# Altium PCB GEM_AFE_128.PcbDoc (part 12 of 18)
Units mm, origin at the board's own origin, x right, y up, seen from the top; angles counter-clockwise.
Board outline 112 x 81.5 mm, 8 copper layers (Top Layer, L1, L2, L3, L4, L5, L6, Bottom Layer), stack 1.52 mm thick; 1880 components, 1258 nets, 6287 pads, 2369 vias.
Unrouted connection lines stored in the file: 4.
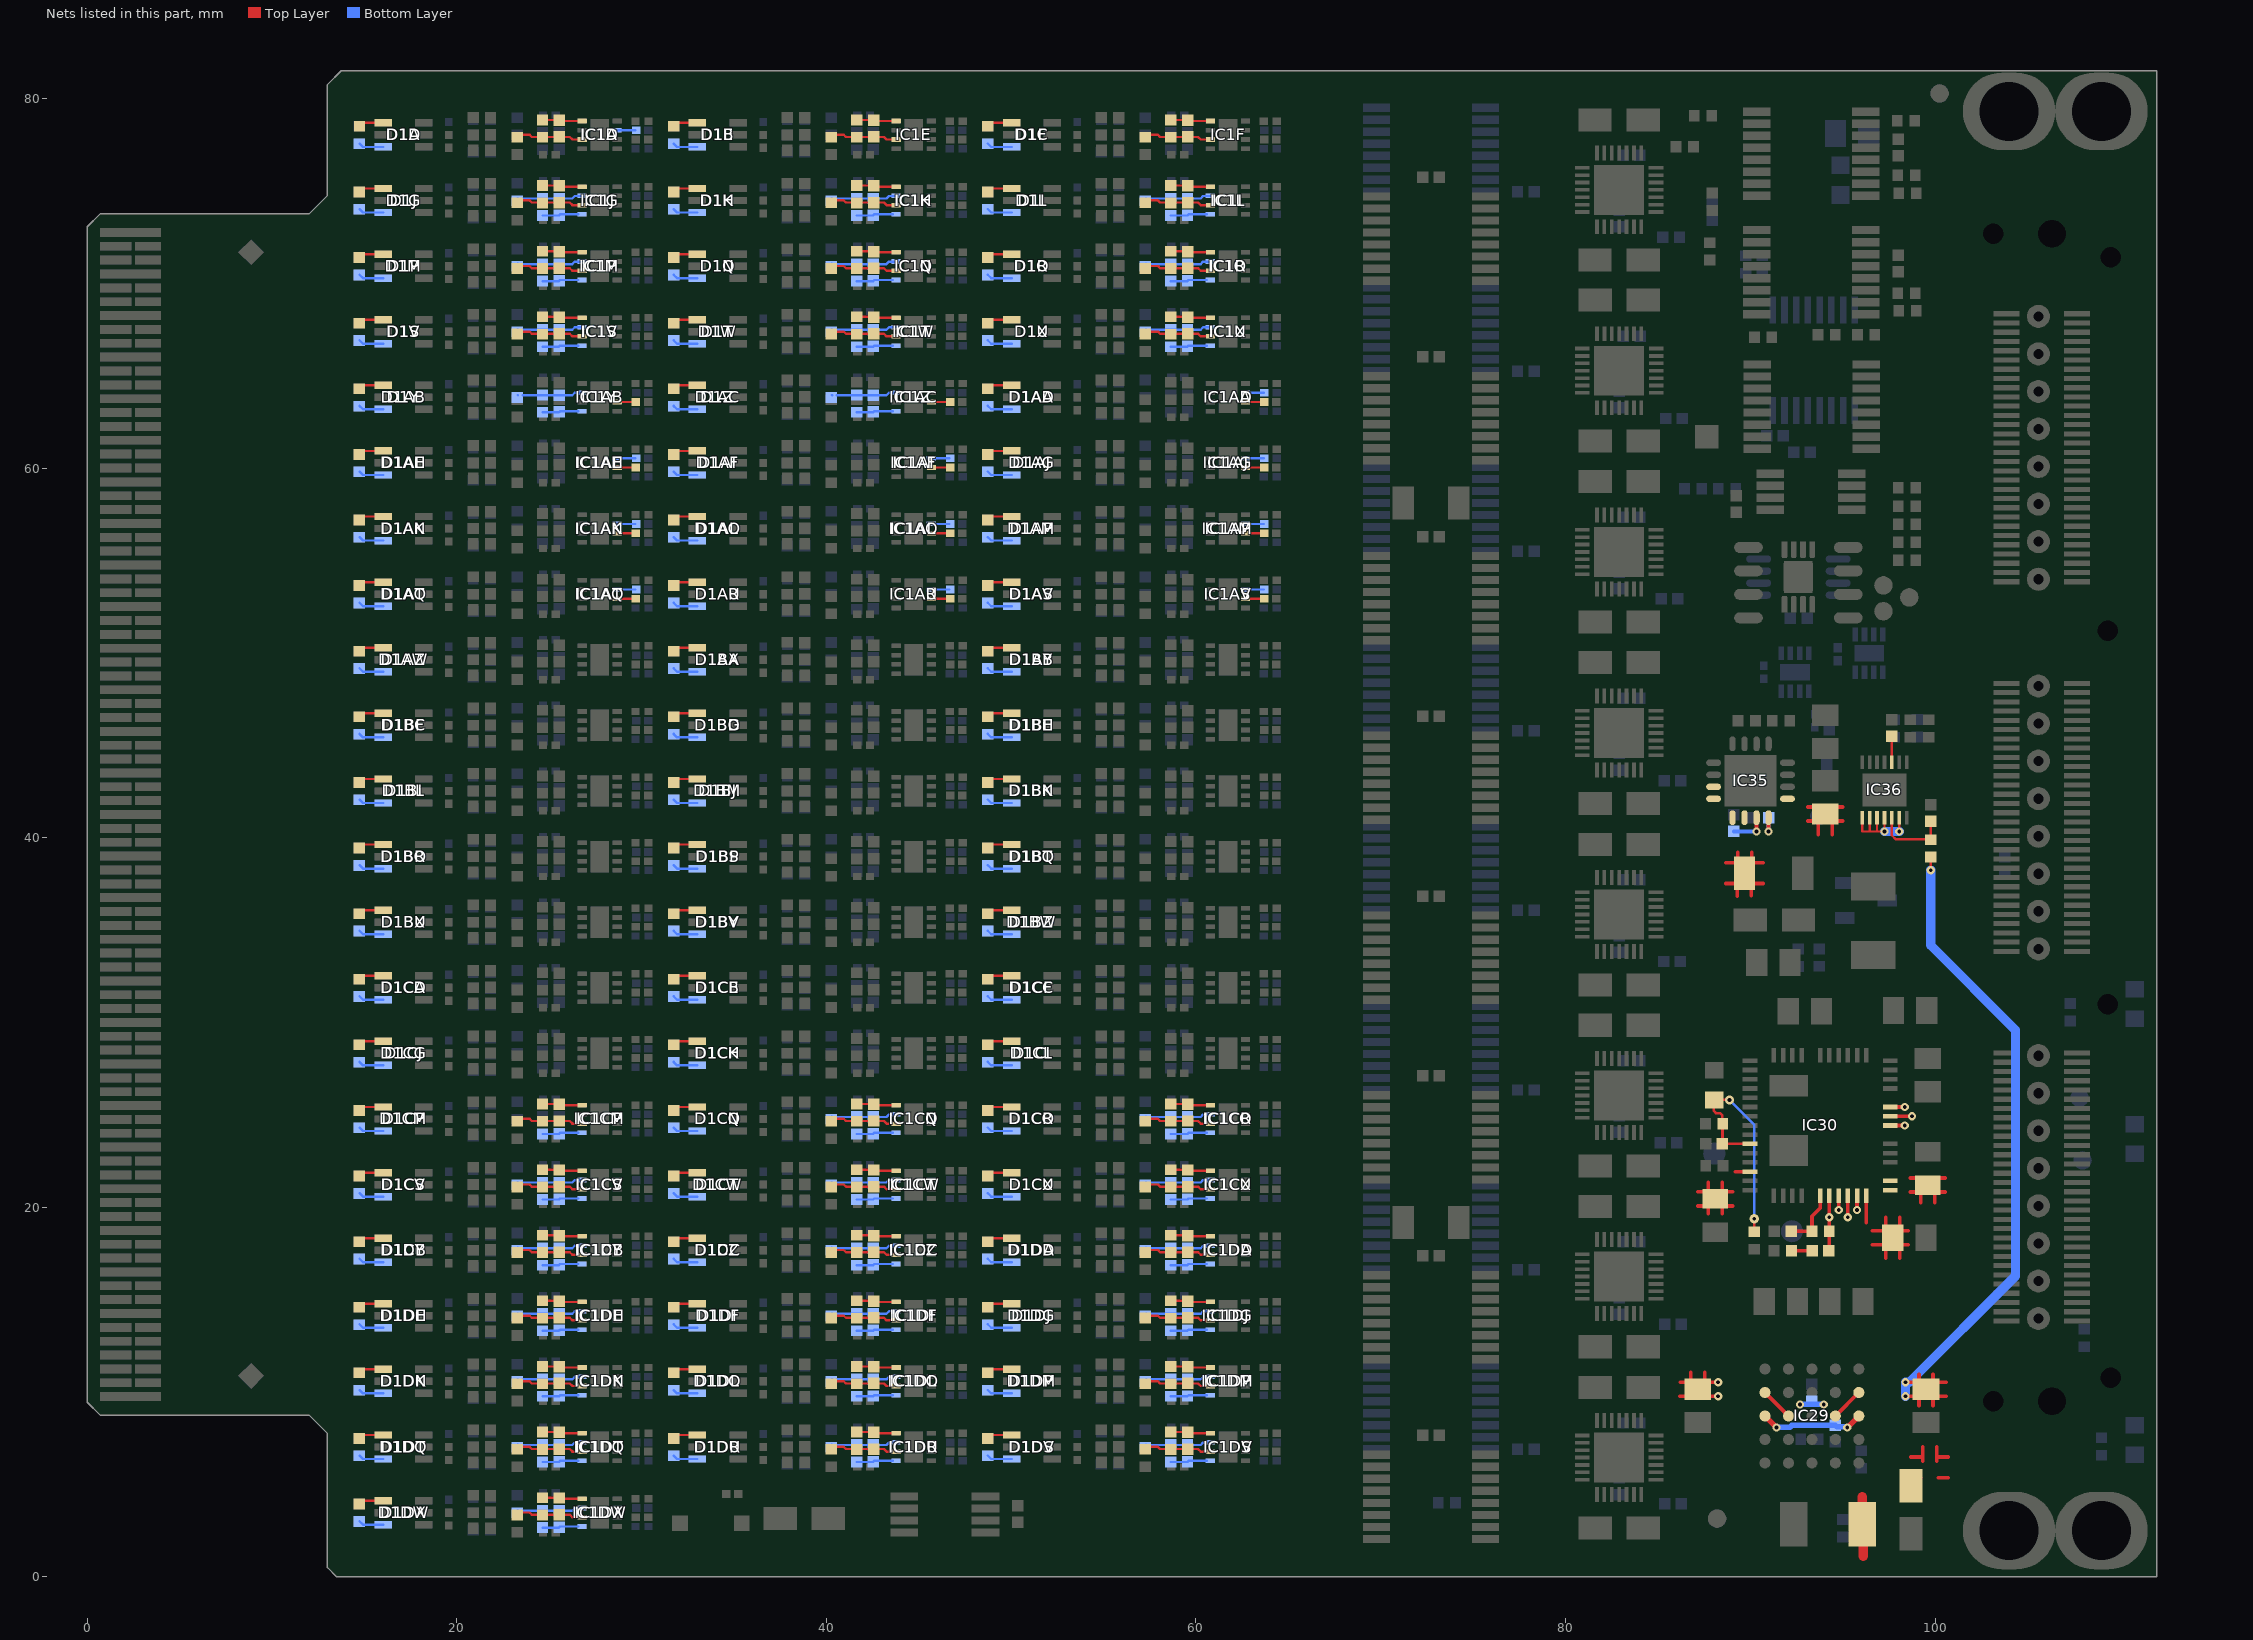
[diagram p18: the nets of this part, all layers, seen from the top]

## Via types
v1: diameter 0.5, hole 0.2, Top Layer to Bottom Layer, tented both sides, 1849 vias
v2: diameter 0.45, hole 0.2, Top Layer to Bottom Layer, tented both sides, 506 vias
v3: diameter 0.45, hole 0.2, Top Layer to Bottom Layer, 14 vias

## Nets (pads, with @x,y where several pads share a name; then routed paths per layer and width w, separated by ;. In a path a pad name is that pad's centre, name@x,y a point inside that pad or via, vN(x,y) a via of type N, cw(c..) or ccw(c..) an arc to the next point about the centre after c; other vN are vias at no path point) (continued)
NetC2CM_2: C2CM.2 IC1CM.1 R5CM.2 | length 2
  Bottom Layer w0.127: R5CM.2@24.639,23.965 25.533,23.965 25.553,23.985 25.593,24.025 IC1CM.1@26.586,24.025
NetC2CN_1: C2CN.1 IC1CN.3 R5CN.1 R8CN.2 | length 3.3
  Bottom Layer w0.127: R8CN.2@40.3,24.9 R8CN.2@40.315,24.885 ; R8CN.2@40.565,24.885 41.639,24.885 43.255,24.885 43.389,25.019 43.78,25.019 IC1CN.3@43.786,25.025
NetC2CN_2: C2CN.2 IC1CN.1 R5CN.2 | length 2
  Bottom Layer w0.127: R5CN.2@41.639,23.965 42.533,23.965 42.553,23.985 42.593,24.025 IC1CN.1@43.586,24.025
NetC2CO_1: C2CO.1 IC1CO.3 R5CO.1 R8CO.2 | length 3.3
  Bottom Layer w0.127: R8CO.2@57.3,24.9 R8CO.2@57.315,24.885 ; R8CO.2@57.565,24.885 58.639,24.885 60.255,24.885 60.389,25.019 60.78,25.019 IC1CO.3@60.786,25.025
NetC2CO_2: C2CO.2 IC1CO.1 R5CO.2 | length 2
  Bottom Layer w0.127: R5CO.2@58.639,23.965 59.533,23.965 59.553,23.985 59.593,24.025 IC1CO.1@60.586,24.025
NetC2CP_1: C2CP.1 IC1CP.3 R5CP.1 R8CP.2 | length 3.5
  Top Layer w0.127: R8CP.2@23.266,24.783 23.942,24.783 24.06,24.665 R5CP.1@24.564,24.665 ; R8CP.2@23.289,24.65 R8CP.2@23.304,24.665 ; R5CP.1@24.544,24.645 R5CP.1@24.564,24.665 ; IC1CP.3@26.575,24.525 26.258,24.525 26.118,24.665 25.543,24.665 R5CP.1@24.564,24.665
NetC2CP_2: C2CP.2 IC1CP.1 R5CP.2 | length 2.2
  Top Layer w0.127: R5CP.2@24.628,25.585 25.523,25.585 25.543,25.565 25.583,25.525 IC1CP.1@26.775,25.525
NetC2CQ_1: C2CQ.1 IC1CQ.3 R5CQ.1 R8CQ.2 | length 3.5
  Top Layer w0.127: R8CQ.2@40.266,24.783 40.942,24.783 41.06,24.665 R5CQ.1@41.564,24.665 ; R8CQ.2@40.289,24.65 R8CQ.2@40.304,24.665 ; R5CQ.1@41.544,24.645 R5CQ.1@41.564,24.665 ; C2CQ.1@42.543,24.665 R5CQ.1@41.564,24.665 ; C2CQ.1@42.543,24.665 43.118,24.665 43.258,24.525 IC1CQ.3@43.575,24.525
NetC2CQ_2: C2CQ.2 IC1CQ.1 R5CQ.2 | length 2.2
  Top Layer w0.127: R5CQ.2@41.628,25.585 42.523,25.585 42.543,25.565 42.583,25.525 IC1CQ.1@43.775,25.525
NetC2CR_1: C2CR.1 IC1CR.3 R5CR.1 R8CR.2 | length 3.5
  Top Layer w0.127: R8CR.2@57.266,24.783 57.942,24.783 58.06,24.665 R5CR.1@58.564,24.665 ; R8CR.2@57.289,24.65 R8CR.2@57.304,24.665 ; R5CR.1@58.544,24.645 R5CR.1@58.564,24.665 ; IC1CR.3@60.575,24.525 60.258,24.525 60.118,24.665 59.543,24.665 R5CR.1@58.564,24.665
NetC2CR_2: C2CR.2 IC1CR.1 R5CR.2 | length 2.2
  Top Layer w0.127: R5CR.2@58.628,25.585 59.523,25.585 59.543,25.565 59.583,25.525 IC1CR.1@60.775,25.525
NetC2CS_1: C2CS.1 IC1CS.3 R5CS.1 R8CS.2 | length 3.3
  Bottom Layer w0.127: R8CS.2@23.3,21.35 R8CS.2@23.315,21.335 ; R8CS.2@23.565,21.335 24.639,21.335 26.255,21.335 26.389,21.469 26.78,21.469 IC1CS.3@26.786,21.475
NetC2CS_2: C2CS.2 IC1CS.1 R5CS.2 | length 2
  Bottom Layer w0.127: R5CS.2@24.639,20.415 25.533,20.415 25.553,20.435 25.593,20.475 IC1CS.1@26.586,20.475
NetC2CT_1: C2CT.1 IC1CT.3 R5CT.1 R8CT.2 | length 3.3
  Bottom Layer w0.127: R8CT.2@40.3,21.35 R8CT.2@40.315,21.335 ; R8CT.2@40.565,21.335 41.639,21.335 43.255,21.335 43.389,21.469 43.78,21.469 IC1CT.3@43.786,21.475
NetC2CT_2: C2CT.2 IC1CT.1 R5CT.2 | length 2
  Bottom Layer w0.127: R5CT.2@41.639,20.415 42.533,20.415 42.553,20.435 42.593,20.475 IC1CT.1@43.586,20.475
NetC2CU_1: C2CU.1 IC1CU.3 R5CU.1 R8CU.2 | length 3.3
  Bottom Layer w0.127: R8CU.2@57.3,21.35 R8CU.2@57.315,21.335 ; R8CU.2@57.565,21.335 58.639,21.335 60.255,21.335 60.389,21.469 60.78,21.469 IC1CU.3@60.786,21.475
NetC2CU_2: C2CU.2 IC1CU.1 R5CU.2 | length 2
  Bottom Layer w0.127: R5CU.2@58.639,20.415 59.533,20.415 59.553,20.435 59.593,20.475 IC1CU.1@60.586,20.475
NetC2CV_1: C2CV.1 IC1CV.3 R5CV.1 R8CV.2 | length 3.5
  Top Layer w0.127: R8CV.2@23.266,21.233 23.942,21.233 24.06,21.115 R5CV.1@24.564,21.115 ; R8CV.2@23.289,21.1 R8CV.2@23.304,21.115 ; R5CV.1@24.544,21.095 R5CV.1@24.564,21.115 ; IC1CV.3@26.575,20.975 26.258,20.975 26.118,21.115 25.543,21.115 R5CV.1@24.564,21.115
NetC2CV_2: C2CV.2 IC1CV.1 R5CV.2 | length 2.2
  Top Layer w0.127: R5CV.2@24.628,22.035 25.523,22.035 25.543,22.015 25.583,21.975 IC1CV.1@26.775,21.975
NetC2CW_1: C2CW.1 IC1CW.3 R5CW.1 R8CW.2 | length 3.5
  Top Layer w0.127: R8CW.2@40.266,21.233 40.942,21.233 41.06,21.115 R5CW.1@41.564,21.115 ; R8CW.2@40.289,21.1 R8CW.2@40.304,21.115 ; R5CW.1@41.544,21.095 R5CW.1@41.564,21.115 ; C2CW.1@42.543,21.115 R5CW.1@41.564,21.115 ; C2CW.1@42.543,21.115 43.118,21.115 43.258,20.975 IC1CW.3@43.575,20.975
NetC2CW_2: C2CW.2 IC1CW.1 R5CW.2 | length 2.2
  Top Layer w0.127: R5CW.2@41.628,22.035 42.523,22.035 42.543,22.015 42.583,21.975 IC1CW.1@43.775,21.975
NetC2CX_1: C2CX.1 IC1CX.3 R5CX.1 R8CX.2 | length 3.5
  Top Layer w0.127: R8CX.2@57.266,21.233 57.942,21.233 58.06,21.115 R5CX.1@58.564,21.115 ; R8CX.2@57.289,21.1 R8CX.2@57.304,21.115 ; R5CX.1@58.544,21.095 R5CX.1@58.564,21.115 ; IC1CX.3@60.575,20.975 60.258,20.975 60.118,21.115 59.543,21.115 R5CX.1@58.564,21.115
NetC2CX_2: C2CX.2 IC1CX.1 R5CX.2 | length 2.2
  Top Layer w0.127: R5CX.2@58.628,22.035 59.523,22.035 59.543,22.015 59.583,21.975 IC1CX.1@60.775,21.975
NetC2CY_1: C2CY.1 IC1CY.3 R5CY.1 R8CY.2 | length 3.3
  Bottom Layer w0.127: R8CY.2@23.3,17.8 R8CY.2@23.315,17.785 ; R8CY.2@23.565,17.785 24.639,17.785 26.255,17.785 26.389,17.919 26.78,17.919 IC1CY.3@26.786,17.925
NetC2CY_2: C2CY.2 IC1CY.1 R5CY.2 | length 2
  Bottom Layer w0.127: R5CY.2@24.639,16.865 25.533,16.865 25.553,16.885 25.593,16.925 IC1CY.1@26.586,16.925
NetC2CZ_1: C2CZ.1 IC1CZ.3 R5CZ.1 R8CZ.2 | length 3.3
  Bottom Layer w0.127: R8CZ.2@40.3,17.8 R8CZ.2@40.315,17.785 ; R8CZ.2@40.565,17.785 41.639,17.785 43.255,17.785 43.389,17.919 43.78,17.919 IC1CZ.3@43.786,17.925
NetC2CZ_2: C2CZ.2 IC1CZ.1 R5CZ.2 | length 2
  Bottom Layer w0.127: R5CZ.2@41.639,16.865 42.533,16.865 42.553,16.885 42.593,16.925 IC1CZ.1@43.586,16.925
NetC2D_1: C2D.1 IC1D.3 R5D.1 R8D.2 | length 3.5
  Top Layer w0.127: R8D.2@23.266,78.033 23.942,78.033 24.06,77.915 R5D.1@24.564,77.915 ; R8D.2@23.289,77.9 R8D.2@23.304,77.915 ; R5D.1@24.544,77.895 R5D.1@24.564,77.915 ; IC1D.3@26.575,77.775 26.258,77.775 26.118,77.915 25.543,77.915 R5D.1@24.564,77.915
NetC2D_2: C2D.2 IC1D.1 R5D.2 | length 2.2
  Top Layer w0.127: R5D.2@24.628,78.835 25.523,78.835 25.543,78.815 25.583,78.775 IC1D.1@26.775,78.775
NetC2DA_1: C2DA.1 IC1DA.3 R5DA.1 R8DA.2 | length 3.3
  Bottom Layer w0.127: R8DA.2@57.3,17.8 R8DA.2@57.315,17.785 ; R8DA.2@57.565,17.785 58.639,17.785 60.255,17.785 60.389,17.919 60.78,17.919 IC1DA.3@60.786,17.925
NetC2DA_2: C2DA.2 IC1DA.1 R5DA.2 | length 2
  Bottom Layer w0.127: R5DA.2@58.639,16.865 59.533,16.865 59.553,16.885 59.593,16.925 IC1DA.1@60.586,16.925
NetC2DB_1: C2DB.1 IC1DB.3 R5DB.1 R8DB.2 | length 3.5
  Top Layer w0.127: R8DB.2@23.266,17.683 23.942,17.683 24.06,17.565 R5DB.1@24.564,17.565 ; R8DB.2@23.289,17.55 R8DB.2@23.304,17.565 ; R5DB.1@24.544,17.545 R5DB.1@24.564,17.565 ; IC1DB.3@26.575,17.425 26.258,17.425 26.118,17.565 25.543,17.565 R5DB.1@24.564,17.565
NetC2DB_2: C2DB.2 IC1DB.1 R5DB.2 | length 2.2
  Top Layer w0.127: R5DB.2@24.628,18.485 25.523,18.485 25.543,18.465 25.583,18.425 IC1DB.1@26.775,18.425
NetC2DC_1: C2DC.1 IC1DC.3 R5DC.1 R8DC.2 | length 3.5
  Top Layer w0.127: R8DC.2@40.266,17.683 40.942,17.683 41.06,17.565 R5DC.1@41.564,17.565 ; R8DC.2@40.289,17.55 R8DC.2@40.304,17.565 ; R5DC.1@41.544,17.545 R5DC.1@41.564,17.565 ; C2DC.1@42.543,17.565 R5DC.1@41.564,17.565 ; C2DC.1@42.543,17.565 43.118,17.565 43.258,17.425 IC1DC.3@43.575,17.425
NetC2DC_2: C2DC.2 IC1DC.1 R5DC.2 | length 2.2
  Top Layer w0.127: R5DC.2@41.628,18.485 42.523,18.485 42.543,18.465 42.583,18.425 IC1DC.1@43.775,18.425
NetC2DD_1: C2DD.1 IC1DD.3 R5DD.1 R8DD.2 | length 3.5
  Top Layer w0.127: R8DD.2@57.266,17.683 57.942,17.683 58.06,17.565 R5DD.1@58.564,17.565 ; R8DD.2@57.289,17.55 R8DD.2@57.304,17.565 ; R5DD.1@58.544,17.545 R5DD.1@58.564,17.565 ; IC1DD.3@60.575,17.425 60.258,17.425 60.118,17.565 59.543,17.565 R5DD.1@58.564,17.565
NetC2DD_2: C2DD.2 IC1DD.1 R5DD.2 | length 2.2
  Top Layer w0.127: R5DD.2@58.628,18.485 59.523,18.485 59.543,18.465 59.583,18.425 IC1DD.1@60.775,18.425
NetC2DE_1: C2DE.1 IC1DE.3 R5DE.1 R8DE.2 | length 3.3
  Bottom Layer w0.127: R8DE.2@23.3,14.25 R8DE.2@23.315,14.235 ; R8DE.2@23.565,14.235 24.639,14.235 26.255,14.235 26.389,14.369 26.78,14.369 IC1DE.3@26.786,14.375
NetC2DE_2: C2DE.2 IC1DE.1 R5DE.2 | length 2
  Bottom Layer w0.127: R5DE.2@24.639,13.315 25.533,13.315 25.553,13.335 25.593,13.375 IC1DE.1@26.586,13.375
NetC2DF_1: C2DF.1 IC1DF.3 R5DF.1 R8DF.2 | length 3.3
  Bottom Layer w0.127: R8DF.2@40.3,14.25 R8DF.2@40.315,14.235 ; R8DF.2@40.565,14.235 41.639,14.235 43.255,14.235 43.389,14.369 43.78,14.369 IC1DF.3@43.786,14.375
NetC2DF_2: C2DF.2 IC1DF.1 R5DF.2 | length 2
  Bottom Layer w0.127: R5DF.2@41.639,13.315 42.533,13.315 42.553,13.335 42.593,13.375 IC1DF.1@43.586,13.375
NetC2DG_1: C2DG.1 IC1DG.3 R5DG.1 R8DG.2 | length 3.3
  Bottom Layer w0.127: R8DG.2@57.3,14.25 R8DG.2@57.315,14.235 ; R8DG.2@57.565,14.235 58.639,14.235 60.255,14.235 60.389,14.369 60.78,14.369 IC1DG.3@60.786,14.375
NetC2DG_2: C2DG.2 IC1DG.1 R5DG.2 | length 2
  Bottom Layer w0.127: R5DG.2@58.639,13.315 59.533,13.315 59.553,13.335 59.593,13.375 IC1DG.1@60.586,13.375
NetC2DH_1: C2DH.1 IC1DH.3 R5DH.1 R8DH.2 | length 3.5
  Top Layer w0.127: R8DH.2@23.266,14.133 23.942,14.133 24.06,14.015 R5DH.1@24.564,14.015 ; R8DH.2@23.289,14 R8DH.2@23.304,14.015 ; R5DH.1@24.544,13.995 R5DH.1@24.564,14.015 ; IC1DH.3@26.575,13.875 26.258,13.875 26.118,14.015 25.543,14.015 R5DH.1@24.564,14.015
NetC2DH_2: C2DH.2 IC1DH.1 R5DH.2 | length 2.2
  Top Layer w0.127: R5DH.2@24.628,14.935 25.523,14.935 25.543,14.915 25.583,14.875 IC1DH.1@26.775,14.875
NetC2DI_1: C2DI.1 IC1DI.3 R5DI.1 R8DI.2 | length 3.5
  Top Layer w0.127: R8DI.2@40.266,14.133 40.942,14.133 41.06,14.015 R5DI.1@41.564,14.015 ; R8DI.2@40.289,14 R8DI.2@40.304,14.015 ; R5DI.1@41.544,13.995 R5DI.1@41.564,14.015 ; C2DI.1@42.543,14.015 R5DI.1@41.564,14.015 ; C2DI.1@42.543,14.015 43.118,14.015 43.258,13.875 IC1DI.3@43.575,13.875
NetC2DI_2: C2DI.2 IC1DI.1 R5DI.2 | length 2.2
  Top Layer w0.127: R5DI.2@41.628,14.935 42.523,14.935 42.543,14.915 42.583,14.875 IC1DI.1@43.775,14.875
NetC2DJ_1: C2DJ.1 IC1DJ.3 R5DJ.1 R8DJ.2 | length 3.5
  Top Layer w0.127: R8DJ.2@57.266,14.133 57.942,14.133 58.06,14.015 R5DJ.1@58.564,14.015 ; R8DJ.2@57.289,14 R8DJ.2@57.304,14.015 ; R5DJ.1@58.544,13.995 R5DJ.1@58.564,14.015 ; IC1DJ.3@60.575,13.875 60.258,13.875 60.118,14.015 59.543,14.015 R5DJ.1@58.564,14.015
NetC2DJ_2: C2DJ.2 IC1DJ.1 R5DJ.2 | length 2.2
  Top Layer w0.127: R5DJ.2@58.628,14.935 59.523,14.935 59.543,14.915 59.583,14.875 IC1DJ.1@60.775,14.875
NetC2DK_1: C2DK.1 IC1DK.3 R5DK.1 R8DK.2 | length 3.3
  Bottom Layer w0.127: R8DK.2@23.3,10.7 R8DK.2@23.315,10.685 ; R8DK.2@23.565,10.685 24.639,10.685 26.255,10.685 26.389,10.819 26.78,10.819 IC1DK.3@26.786,10.825
NetC2DK_2: C2DK.2 IC1DK.1 R5DK.2 | length 2
  Bottom Layer w0.127: R5DK.2@24.639,9.765 25.533,9.765 25.553,9.785 25.593,9.825 IC1DK.1@26.586,9.825
NetC2DL_1: C2DL.1 IC1DL.3 R5DL.1 R8DL.2 | length 3.3
  Bottom Layer w0.127: R8DL.2@40.3,10.7 R8DL.2@40.315,10.685 ; R8DL.2@40.565,10.685 41.639,10.685 43.255,10.685 43.389,10.819 43.78,10.819 IC1DL.3@43.786,10.825
NetC2DL_2: C2DL.2 IC1DL.1 R5DL.2 | length 2
  Bottom Layer w0.127: R5DL.2@41.639,9.765 42.533,9.765 42.553,9.785 42.593,9.825 IC1DL.1@43.586,9.825
NetC2DM_1: C2DM.1 IC1DM.3 R5DM.1 R8DM.2 | length 3.3
  Bottom Layer w0.127: R8DM.2@57.3,10.7 R8DM.2@57.315,10.685 ; R8DM.2@57.565,10.685 58.639,10.685 60.255,10.685 60.389,10.819 60.78,10.819 IC1DM.3@60.786,10.825
NetC2DM_2: C2DM.2 IC1DM.1 R5DM.2 | length 2
  Bottom Layer w0.127: R5DM.2@58.639,9.765 59.533,9.765 59.553,9.785 59.593,9.825 IC1DM.1@60.586,9.825
NetC2DN_1: C2DN.1 IC1DN.3 R5DN.1 R8DN.2 | length 3.5
  Top Layer w0.127: R8DN.2@23.266,10.583 23.942,10.583 24.06,10.465 R5DN.1@24.564,10.465 ; R8DN.2@23.289,10.45 R8DN.2@23.304,10.465 ; R5DN.1@24.544,10.445 R5DN.1@24.564,10.465 ; IC1DN.3@26.575,10.325 26.258,10.325 26.118,10.465 25.543,10.465 R5DN.1@24.564,10.465
NetC2DN_2: C2DN.2 IC1DN.1 R5DN.2 | length 2.2
  Top Layer w0.127: R5DN.2@24.628,11.385 25.523,11.385 25.543,11.365 25.583,11.325 IC1DN.1@26.775,11.325
NetC2DO_1: C2DO.1 IC1DO.3 R5DO.1 R8DO.2 | length 3.5
  Top Layer w0.127: R8DO.2@40.266,10.583 40.942,10.583 41.06,10.465 R5DO.1@41.564,10.465 ; R8DO.2@40.289,10.45 R8DO.2@40.304,10.465 ; R5DO.1@41.544,10.445 R5DO.1@41.564,10.465 ; C2DO.1@42.543,10.465 R5DO.1@41.564,10.465 ; C2DO.1@42.543,10.465 43.118,10.465 43.258,10.325 IC1DO.3@43.575,10.325
NetC2DO_2: C2DO.2 IC1DO.1 R5DO.2 | length 2.2
  Top Layer w0.127: R5DO.2@41.628,11.385 42.523,11.385 42.543,11.365 42.583,11.325 IC1DO.1@43.775,11.325
NetC2DP_1: C2DP.1 IC1DP.3 R5DP.1 R8DP.2 | length 3.5
  Top Layer w0.127: R8DP.2@57.266,10.583 57.942,10.583 58.06,10.465 R5DP.1@58.564,10.465 ; R8DP.2@57.289,10.45 R8DP.2@57.304,10.465 ; R5DP.1@58.544,10.445 R5DP.1@58.564,10.465 ; IC1DP.3@60.575,10.325 60.258,10.325 60.118,10.465 59.543,10.465 R5DP.1@58.564,10.465
NetC2DP_2: C2DP.2 IC1DP.1 R5DP.2 | length 2.2
  Top Layer w0.127: R5DP.2@58.628,11.385 59.523,11.385 59.543,11.365 59.583,11.325 IC1DP.1@60.775,11.325
NetC2DQ_1: C2DQ.1 IC1DQ.3 R5DQ.1 R8DQ.2 | length 3.3
  Bottom Layer w0.127: R8DQ.2@23.3,7.15 R8DQ.2@23.315,7.135 ; R8DQ.2@23.565,7.135 24.639,7.135 26.255,7.135 26.389,7.269 26.78,7.269 IC1DQ.3@26.786,7.275
NetC2DQ_2: C2DQ.2 IC1DQ.1 R5DQ.2 | length 2
  Bottom Layer w0.127: R5DQ.2@24.639,6.215 25.533,6.215 25.553,6.235 25.593,6.275 IC1DQ.1@26.586,6.275
NetC2DR_1: C2DR.1 IC1DR.3 R5DR.1 R8DR.2 | length 3.3
  Bottom Layer w0.127: R8DR.2@40.3,7.15 R8DR.2@40.315,7.135 ; R8DR.2@40.565,7.135 41.639,7.135 43.255,7.135 43.389,7.269 43.78,7.269 IC1DR.3@43.786,7.275
NetC2DR_2: C2DR.2 IC1DR.1 R5DR.2 | length 2
  Bottom Layer w0.127: R5DR.2@41.639,6.215 42.533,6.215 42.553,6.235 42.593,6.275 IC1DR.1@43.586,6.275
NetC2DS_1: C2DS.1 IC1DS.3 R5DS.1 R8DS.2 | length 3.3
  Bottom Layer w0.127: R8DS.2@57.3,7.15 R8DS.2@57.315,7.135 ; R8DS.2@57.565,7.135 58.639,7.135 60.255,7.135 60.389,7.269 60.78,7.269 IC1DS.3@60.786,7.275
NetC2DS_2: C2DS.2 IC1DS.1 R5DS.2 | length 2
  Bottom Layer w0.127: R5DS.2@58.639,6.215 59.533,6.215 59.553,6.235 59.593,6.275 IC1DS.1@60.586,6.275
NetC2DT_1: C2DT.1 IC1DT.3 R5DT.1 R8DT.2 | length 3.5
  Top Layer w0.127: R8DT.2@23.266,7.033 23.942,7.033 24.06,6.915 R5DT.1@24.564,6.915 ; R8DT.2@23.289,6.9 R8DT.2@23.304,6.915 ; R5DT.1@24.544,6.895 R5DT.1@24.564,6.915 ; C2DT.1@25.543,6.915 26.118,6.915 26.258,6.775 IC1DT.3@26.575,6.775 ; C2DT.1@25.543,6.915 R5DT.1@24.564,6.915
NetC2DT_2: C2DT.2 IC1DT.1 R5DT.2 | length 2.2
  Top Layer w0.127: R5DT.2@24.628,7.835 25.523,7.835 25.543,7.815 25.583,7.775 IC1DT.1@26.775,7.775
NetC2DU_1: C2DU.1 IC1DU.3 R5DU.1 R8DU.2 | length 3.5
  Top Layer w0.127: R8DU.2@40.266,7.033 40.942,7.033 41.06,6.915 R5DU.1@41.564,6.915 ; R8DU.2@40.289,6.9 R8DU.2@40.304,6.915 ; R5DU.1@41.544,6.895 R5DU.1@41.564,6.915 ; C2DU.1@42.543,6.915 R5DU.1@41.564,6.915 ; C2DU.1@42.543,6.915 43.118,6.915 43.258,6.775 IC1DU.3@43.575,6.775
NetC2DU_2: C2DU.2 IC1DU.1 R5DU.2 | length 2.2
  Top Layer w0.127: R5DU.2@41.628,7.835 42.523,7.835 42.543,7.815 42.583,7.775 IC1DU.1@43.775,7.775
NetC2DV_1: C2DV.1 IC1DV.3 R5DV.1 R8DV.2 | length 3.5
  Top Layer w0.127: R8DV.2@57.266,7.033 57.942,7.033 58.06,6.915 R5DV.1@58.564,6.915 ; R8DV.2@57.289,6.9 R8DV.2@57.304,6.915 ; R5DV.1@58.544,6.895 R5DV.1@58.564,6.915 ; C2DV.1@59.543,6.915 60.118,6.915 60.258,6.775 IC1DV.3@60.575,6.775 ; C2DV.1@59.543,6.915 R5DV.1@58.564,6.915
NetC2DV_2: C2DV.2 IC1DV.1 R5DV.2 | length 2.2
  Top Layer w0.127: R5DV.2@58.628,7.835 59.523,7.835 59.543,7.815 59.583,7.775 IC1DV.1@60.775,7.775
NetC2DW_1: C2DW.1 IC1DW.3 R5DW.1 R8DW.2 | length 3.3
  Bottom Layer w0.127: R8DW.2@23.3,3.6 R8DW.2@23.315,3.585 ; R8DW.2@23.565,3.585 24.639,3.585 26.255,3.585 26.389,3.719 26.78,3.719 IC1DW.3@26.786,3.725
NetC2DW_2: C2DW.2 IC1DW.1 R5DW.2 | length 2
  Bottom Layer w0.127: R5DW.2@24.639,2.665 25.533,2.665 25.553,2.685 25.593,2.725 IC1DW.1@26.586,2.725
NetC2DX_1: C2DX.1 IC1DX.3 R5DX.1 R8DX.2 | length 3.5
  Top Layer w0.127: R8DX.2@23.266,3.483 23.942,3.483 24.06,3.365 R5DX.1@24.564,3.365 ; R8DX.2@23.289,3.35 R8DX.2@23.304,3.365 ; R5DX.1@24.544,3.345 R5DX.1@24.564,3.365 ; IC1DX.3@26.575,3.225 26.258,3.225 26.118,3.365 25.543,3.365 R5DX.1@24.564,3.365
NetC2DX_2: C2DX.2 IC1DX.1 R5DX.2 | length 2.2
  Top Layer w0.127: R5DX.2@24.628,4.285 25.523,4.285 25.543,4.265 25.583,4.225 IC1DX.1@26.775,4.225
NetC2E_1: C2E.1 IC1E.3 R5E.1 R8E.2 | length 3.5
  Top Layer w0.127: R8E.2@40.266,78.033 40.942,78.033 41.06,77.915 R5E.1@41.564,77.915 ; R8E.2@40.289,77.9 R8E.2@40.304,77.915 ; R5E.1@41.544,77.895 R5E.1@41.564,77.915 ; C2E.1@42.543,77.915 R5E.1@41.564,77.915 ; C2E.1@42.543,77.915 43.118,77.915 43.258,77.775 IC1E.3@43.575,77.775
NetC2E_2: C2E.2 IC1E.1 R5E.2 | length 2.2
  Top Layer w0.127: R5E.2@41.628,78.835 42.523,78.835 42.543,78.815 42.583,78.775 IC1E.1@43.775,78.775
NetC2F_1: C2F.1 IC1F.3 R5F.1 R8F.2 | length 3.5
  Top Layer w0.127: R8F.2@57.266,78.033 57.942,78.033 58.06,77.915 R5F.1@58.564,77.915 ; R8F.2@57.289,77.9 R8F.2@57.304,77.915 ; R5F.1@58.544,77.895 R5F.1@58.564,77.915 ; IC1F.3@60.575,77.775 60.258,77.775 60.118,77.915 59.543,77.915 R5F.1@58.564,77.915
NetC2F_2: C2F.2 IC1F.1 R5F.2 | length 2.2
  Top Layer w0.127: R5F.2@58.628,78.835 59.523,78.835 59.543,78.815 59.583,78.775 IC1F.1@60.775,78.775
NetC2G_1: C2G.1 IC1G.3 R5G.1 R8G.2 | length 3.3
  Bottom Layer w0.127: R8G.2@23.3,74.6 R8G.2@23.315,74.585 ; R8G.2@23.565,74.585 24.639,74.585 26.255,74.585 26.389,74.719 26.78,74.719 IC1G.3@26.786,74.725
NetC2G_2: C2G.2 IC1G.1 R5G.2 | length 2
  Bottom Layer w0.127: R5G.2@24.639,73.665 25.533,73.665 25.553,73.685 25.593,73.725 IC1G.1@26.586,73.725
NetC2H_1: C2H.1 IC1H.3 R5H.1 R8H.2 | length 3.3
  Bottom Layer w0.127: R8H.2@40.3,74.6 R8H.2@40.315,74.585 ; R8H.2@40.565,74.585 41.639,74.585 43.255,74.585 43.389,74.719 43.78,74.719 IC1H.3@43.786,74.725
NetC2H_2: C2H.2 IC1H.1 R5H.2 | length 2
  Bottom Layer w0.127: R5H.2@41.639,73.665 42.533,73.665 42.553,73.685 42.593,73.725 IC1H.1@43.586,73.725
NetC2I_1: C2I.1 IC1I.3 R5I.1 R8I.2 | length 3.3
  Bottom Layer w0.127: R8I.2@57.3,74.6 R8I.2@57.315,74.585 ; R8I.2@57.565,74.585 58.639,74.585 60.255,74.585 60.389,74.719 60.78,74.719 IC1I.3@60.786,74.725
NetC2I_2: C2I.2 IC1I.1 R5I.2 | length 2
  Bottom Layer w0.127: R5I.2@58.639,73.665 59.533,73.665 59.553,73.685 59.593,73.725 IC1I.1@60.586,73.725
NetC2J_1: C2J.1 IC1J.3 R5J.1 R8J.2 | length 3.5
  Top Layer w0.127: R8J.2@23.266,74.483 23.942,74.483 24.06,74.365 R5J.1@24.564,74.365 ; R8J.2@23.289,74.35 R8J.2@23.304,74.365 ; R5J.1@24.544,74.345 R5J.1@24.564,74.365 ; IC1J.3@26.575,74.225 26.258,74.225 26.118,74.365 25.543,74.365 R5J.1@24.564,74.365
NetC2J_2: C2J.2 IC1J.1 R5J.2 | length 2.2
  Top Layer w0.127: R5J.2@24.628,75.285 25.523,75.285 25.543,75.265 25.583,75.225 IC1J.1@26.775,75.225
NetC2K_1: C2K.1 IC1K.3 R5K.1 R8K.2 | length 3.5
  Top Layer w0.127: R8K.2@40.266,74.483 40.942,74.483 41.06,74.365 R5K.1@41.564,74.365 ; R8K.2@40.289,74.35 R8K.2@40.304,74.365 ; R5K.1@41.544,74.345 R5K.1@41.564,74.365 ; C2K.1@42.543,74.365 R5K.1@41.564,74.365 ; C2K.1@42.543,74.365 43.118,74.365 43.258,74.225 IC1K.3@43.575,74.225
NetC2K_2: C2K.2 IC1K.1 R5K.2 | length 2.2
  Top Layer w0.127: R5K.2@41.628,75.285 42.523,75.285 42.543,75.265 42.583,75.225 IC1K.1@43.775,75.225
NetC2L_1: C2L.1 IC1L.3 R5L.1 R8L.2 | length 3.5
  Top Layer w0.127: R8L.2@57.266,74.483 57.942,74.483 58.06,74.365 R5L.1@58.564,74.365 ; R8L.2@57.289,74.35 R8L.2@57.304,74.365 ; R5L.1@58.544,74.345 R5L.1@58.564,74.365 ; IC1L.3@60.575,74.225 60.258,74.225 60.118,74.365 59.543,74.365 R5L.1@58.564,74.365
NetC2L_2: C2L.2 IC1L.1 R5L.2 | length 2.2
  Top Layer w0.127: R5L.2@58.628,75.285 59.523,75.285 59.543,75.265 59.583,75.225 IC1L.1@60.775,75.225
NetC2M_1: C2M.1 IC1M.3 R5M.1 R8M.2 | length 3.3
  Bottom Layer w0.127: R8M.2@23.3,71.05 R8M.2@23.315,71.035 ; R8M.2@23.565,71.035 24.639,71.035 26.255,71.035 26.389,71.169 26.78,71.169 IC1M.3@26.786,71.175
NetC2M_2: C2M.2 IC1M.1 R5M.2 | length 2
  Bottom Layer w0.127: R5M.2@24.639,70.115 25.533,70.115 25.553,70.135 25.593,70.175 IC1M.1@26.586,70.175